# Allegro board IMX7D EVK BOARD REV D_160314.brd (continued)
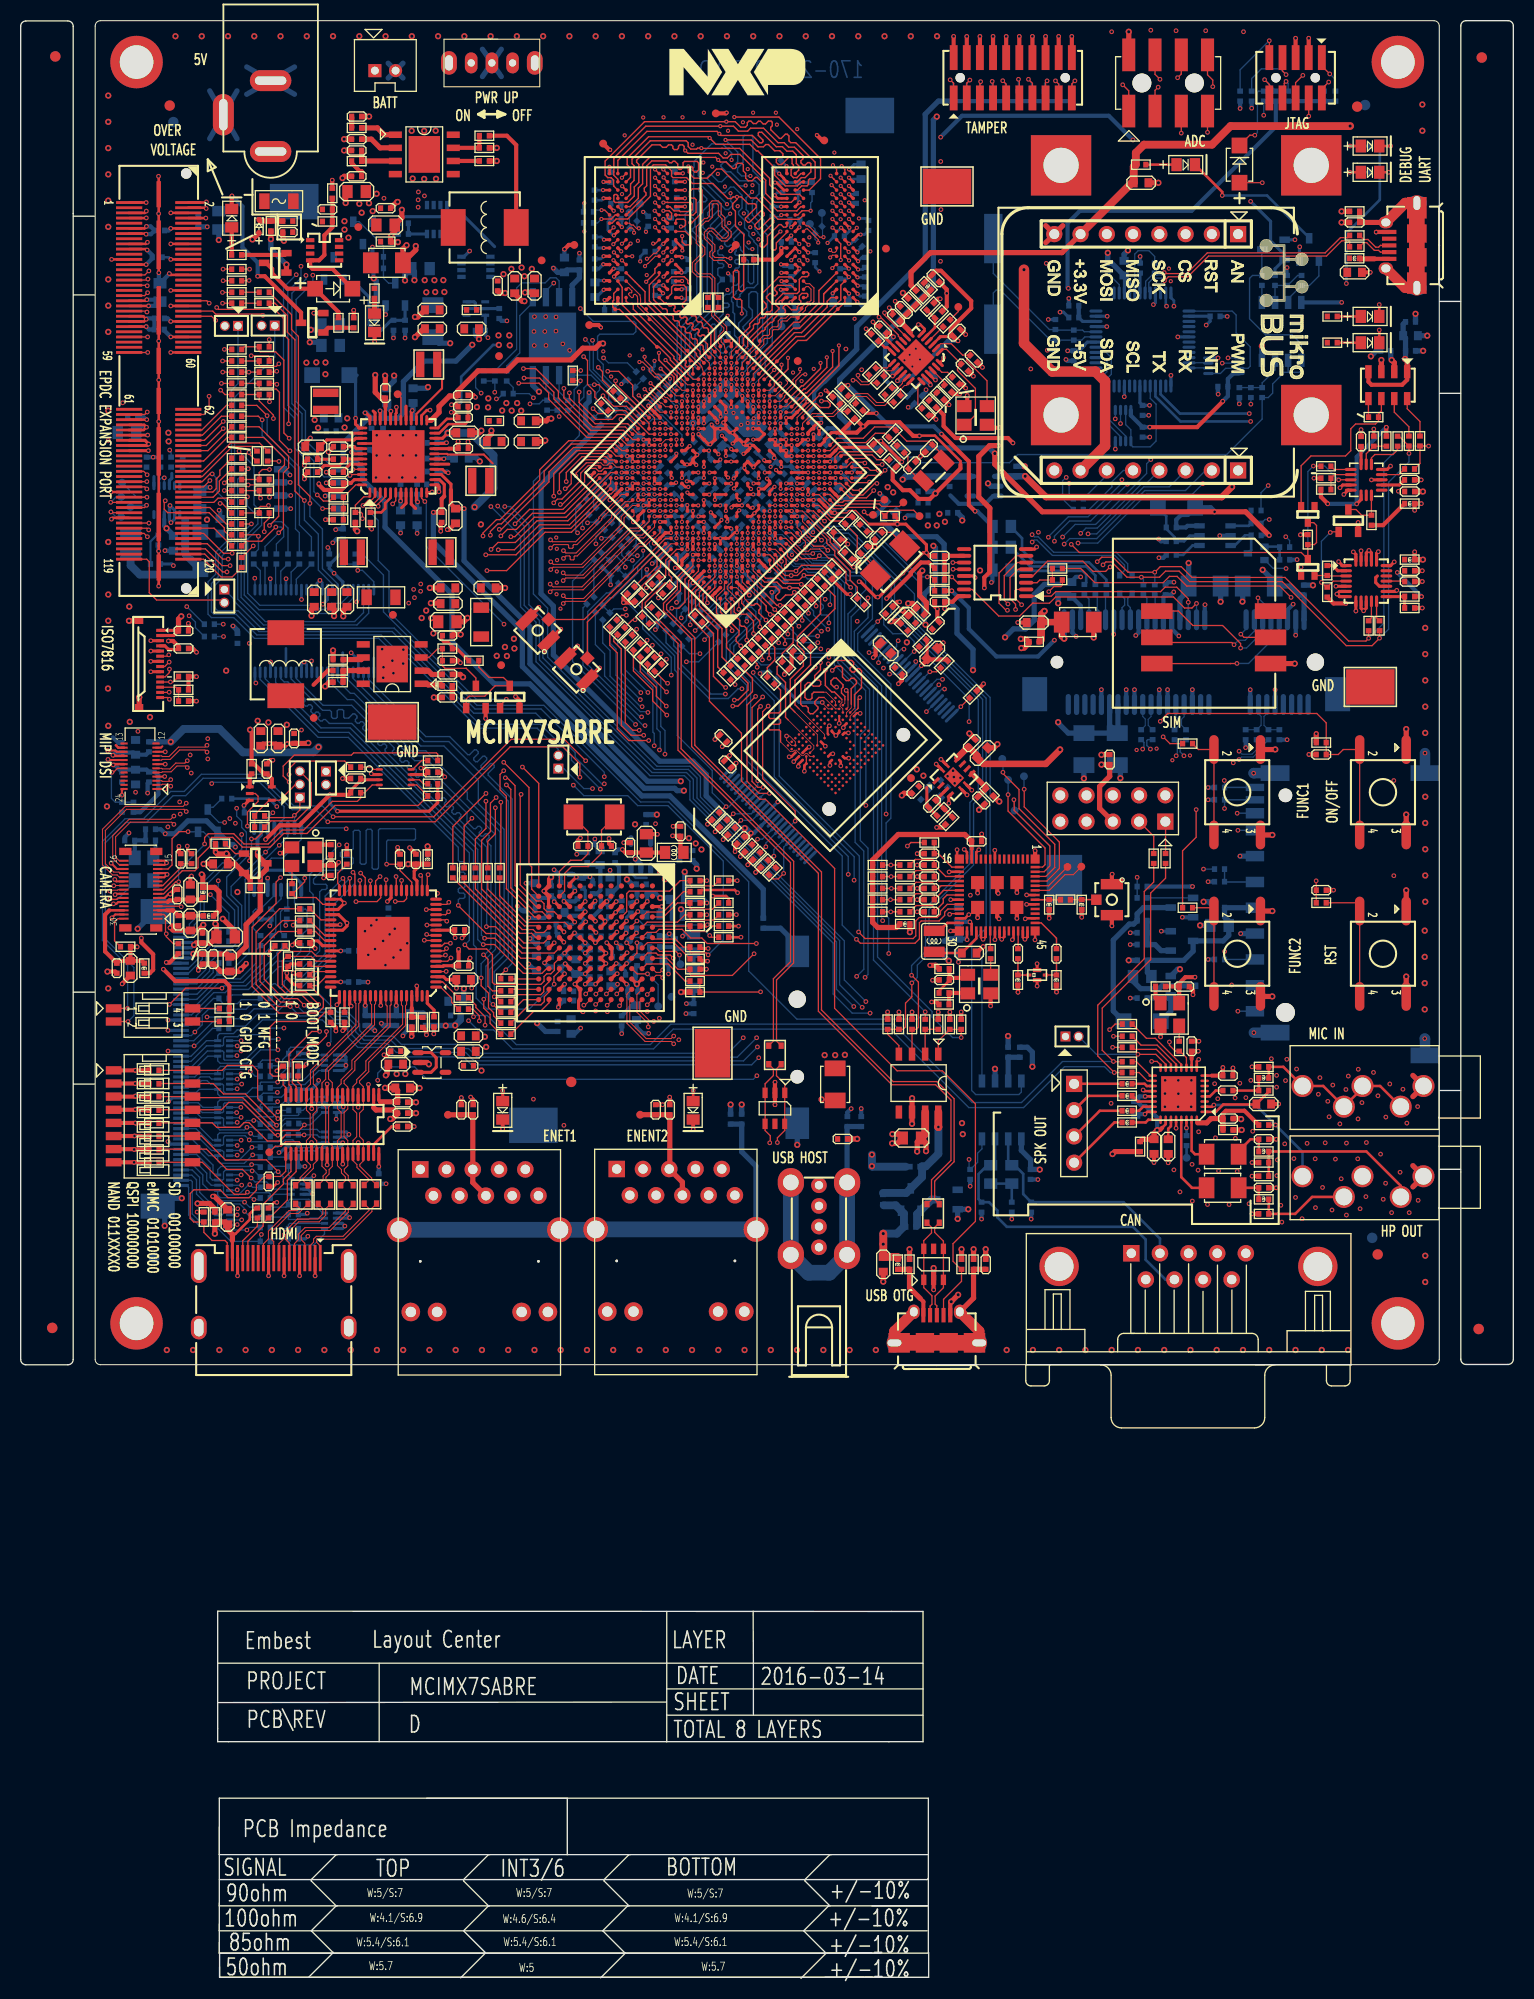
[diagram p0: board, top side]
## Placement (name value [footprint] x y rotation side) (continued)
C217  100nF  [C0402]  38.23 108.25 90 top
C218  10uF  [C0603]  42.84 96.6 0 top
C219  10uF  [C0603]  36.27 88.42 180 top
C220  1uF  [C0402]  36.28 89.68 180 top
C221  1uF  [C0402]  43.31 88.27 0 top
C222  100nF  [C0402]  33.33 92.64 270 bottom
C223  100nF  [C0402]  36.34 92.64 270 bottom
C224  10uF  [C0603]  37.64 92.64 270 bottom
C225  22uF  [C0603]  43.31 89.66 0 top
C226  4.7uF  [C0603]  20.02 73.64 90 top
C227  100nF  [C0402]  36.94 84.74 0 top
C228  4.7uF  [C0603]  36.94 86.11 0 top
C229  100nF  [C0402]  34.63 77.34 90 bottom
C230  100nF  [C0402]  36.94 82.39 180 top
C231  100nF  [C0402]  36.94 83.68 0 top
C232  4.7uF  [C0603]  90.7 99.85 270 bottom
C233  4.7uF  [C0603]  90.7 102.91 90 bottom
C235  4.7uF  [C0603]  91.74 99.18 0 top
C237  220nF  [C0402]  89.33 96.57 180 top
C238  2.2uF  [C0402]  92.46 109.98 0 top
C239  4.7uF  [C0603]  129.02 165.01 0 top
C240  100nF  [C0402]  108.27 165.43 90 bottom
C241  220nF  [C0402]  116.28 153.96 180 bottom
C242  100nF  [C0402]  129.02 169.84 180 top
C243  18pF  [C0402]  100.08 157.96 90 bottom
C244  18pF  [C0402]  100.08 159.96 270 bottom
C245  220nF  [C0402]  108.51 149.56 270 bottom
C246  100nF  [C0402]  134.34 136.15 0 top
C247  100nF  [C0402]  134.34 135.11 0 top
C248  100nF  [C0402]  134.34 143.81 0 top
C249  100nF  [C0402]  134.33 144.94 0 top
C250  100nF  [C0402]  129.64 148.65 90 top
C251  100nF  [C0402]  134.43 157.42 0 bottom
C252  10uF  [C0603]  134.43 158.89 0 bottom
C253  100nF  [C0402]  132.03 157.42 180 bottom
C254  2.2uF  [C0402]  13.2 166.47 0 bottom
C255  2.2uF  [C0402]  13.4 159.48 0 bottom
C256  100nF  [C0402]  13.42 160.56 0 bottom
C257  22uF  [C0805]  10.27 149.52 180 bottom
C258  100nF  [C0402]  13.44 169.06 0 bottom
C259  22uF  [C0805]  13.47 163.07 90 bottom
C260  100nF  [C0402]  10.83 151.05 180 bottom
C261  22uF  [C0805]  19.82 100.73 0 top
C262  100nF  [C0402]  17.59 100.62 90 top
C263  22uF  [C0603]  20.22 98.1 270 top
C264  100nF  [C0402]  17.59 98.59 270 top
C265  220nF  [C0402]  18.63 98.59 270 top
C266  100nF  [C0402]  22.12 112.76 180 bottom
C267  100nF  [C0402]  116.77 87.32 0 top
C268  100nF  [C0402]  113.25 90.16 90 top
C269  4.7uF  [C0603]  107.85 84.24 270 bottom
C270  4.7uF  [C0603]  109.62 80.45 270 top
C271  100nF  [C0402]  116.78 83.16 0 top
C272  4.7uF  [C0603]  120.23 84.57 0 top
C273  4.7uF  [C0603]  110.99 80.45 270 top
C274  100uF  [C35X28]  116.25 79.71 0 top
C275  100uF  [C35X28]  116.25 76.46 0 top
C276  1uF  [C0402]  112.76 81.03 270 bottom
C277  1uF  [C0402]  116.77 85.87 0 top
C278  220nF  [C0402]  97.68 77.76 270 bottom
C279  220nF  [C0402]  95.51 89.58 90 bottom
C280  220nF  [C0402]  15.75 128.64 0 top
C281  56pF  [C0402]  97.74 74.59 270 bottom
C282  56pF  [C0402]  92.94 74.59 270 bottom
C283  1nF  [C0402]  95.86 74.59 270 bottom
C284  220nF  [C0402]  105.33 117.89 90 top
C298  4.7uF  [C0603]  83.43 69.06 270 top
C299  100uF  [C35X28]  78.77 86.47 90 top
C300  100nF  [C0402]  79.49 81.19 180 top
C301  100nF  [C0402]  81.3 82.87 90 bottom
C302  100nF  [C0402]  93.34 69.06 90 top
C307  10uF  [C0603]  63.52 104.35 0 bottom
C308  1uF  [C0402]  54.39 105.93 90 bottom
C309  1uF  [C0402]  53.14 106.31 90 bottom
C310  1uF  [C0402]  58.14 103.76 90 bottom
C311  1uF  [C0402]  60.1 104.91 180 bottom
C313  1uF  [C0402]  60.49 112.08 90 bottom
C315  1uF  [C0402]  60.02 105.82 180 bottom
C316  1uF  [C0402]  64.98 108.6 270 bottom
C317  1uF  [C0402]  55.59 99.52 180 bottom
C318  1uF  [C0402]  55.59 98.63 180 bottom
C319  10uF  [C0603]  57.09 96.68 270 bottom
C320  100nF  [C0402]  65.09 93.8 270 bottom
C321  47uF  [C0805]  65.09 100.1 90 bottom
C322  100nF  [C0402]  63.3 100.06 90 bottom
C323  10uF  [C0603]  61.45 98.46 0 bottom
C324  1uF  [C0402]  59.62 98.43 270 bottom
C325  10uF  [C0603]  49.89 98.19 270 bottom
C326  1uF  [C0402]  51.3 98.3 270 bottom
C327  1uF  [C0402]  59.03 103.51 90 bottom
C328  10uF  [C0603]  49.74 105.22 90 bottom
C329  1uF  [C0402]  51.3 105.19 90 bottom
C330  10uF  [C0603]  56.05 108.4 90 bottom
C331  1uF  [C0402]  55.24 103.18 90 bottom
C332  10uF  [C0603]  53.24 92.07 270 bottom
C333  1uF  [C0402]  53 94.57 180 bottom
C334  1uF  [C0402]  51.46 100.95 180 bottom
C335  10uF  [C0603]  59.57 93.41 270 bottom
C336  1uF  [C0402]  59.2 95.44 0 bottom
C337  10uF  [C0603]  61.15 102.86 0 bottom
C338  1uF  [C0402]  56.63 100.78 180 bottom
C340  1uF  [C0402]  56.62 101.67 180 bottom
C341  1uF  [C0402]  59.09 101.57 0 bottom
C342  1uF  [C0402]  54.67 100.78 0 bottom
C343  1uF  [C0402]  54.67 101.66 0 bottom
C344  22uF  [C0603]  51.9 103.1 180 bottom
C345  1uF  [C0402]  53.65 99.7 0 bottom
C346  22uF  [C0603]  53.7 97.86 270 bottom
C347  100nF  [C0402]  43.76 84.02 90 top
C348  100nF  [C0402]  42.62 84.02 90 top
C349  18pF  [C0402]  56.66 109.53 0 top
C350  18pF  [C0402]  54.38 109.53 180 top
C351  100nF  [C0402]  61.42 84.02 90 top
C352  100nF  [C0402]  62.78 84.02 90 top
C353  100nF  [C0402]  68.66 83.11 90 bottom
C354  4.7uF  [C0603]  16.41 105.07 90 top
C355  4.7uF  [C0603]  11.11 116.2 270 bottom
C356  2.2uF  [C0402]  111.29 139 0 bottom
C357  220nF  [C0402]  71.94 148.74 135 bottom
C358  10uF  [C0603]  106.72 165.42 90 bottom
C359  100nF  [C0402]  108.51 151.67 270 bottom
C360  100nF  [C0402]  101.86 156.94 270 bottom
C361  100nF  [C0402]  101.86 160.64 180 bottom
C362  22uF  [C0603]  79.66 143.69 315 bottom
C363  22uF  [C0805]  86.2 81.28 180 top
C365  100nF  [C0402]  23.99 77.08 90 top
C366  18pF  [C0402]  59.07 154.25 135 bottom
C367  100nF  [C0402]  125.79 118.38 180 top
C368  100nF  [C0402]  125.79 105.25 0 top
C369  1nF  [C0402]  120.23 81.16 0 top
C370  1nF  [C0402]  120.23 76.46 0 top
C374  2.2uF  [C0402]  86.53 114.97 225 top
C375  10uF  [C0603]  93.04 118.52 45 top
C376  220nF  [C0402]  92 119.48 45 top
C377  1uF  [C0402]  88.14 113.61 45 top
C378  220nF  [C0402]  96.29 145.77 90 bottom
C379  100nF  [C0402]  92.9 113.93 315 top
C380  220nF  [C0402]  20.97 129.61 90 bottom
C381  220nF  [C0402]  29.85 137.29 90 bottom
C382  1uF  [C0402]  122.25 138.44 180 bottom
C383  33nF  [C0402]  111.29 137.68 180 bottom
C384  100nF  [C0402]  88.88 137.58 180 top
C385  100nF  [C0402]  88.88 133.15 180 top
C386  4.7uF  [C0603]  19.32 107.79 180 top
C387  1uF  [C0402]  15.75 130.34 0 top
C388  220nF  [C0402]  30 107.16 270 top
C389  220nF  [C0402]  112.54 95.93 0 top
C390  22uF  [C0603]  108.37 173.68 0 top
C391  18pF  [C0402]  87.88 108.78 180 top
C392  1uF  [C0402]  55.33 105.39 90 bottom
C393  1uF  [C0402]  52.18 98.28 270 bottom
C394  10nF  [C0402]  29.67 171.1 0 top
C395  100nF  [C0402]  25.84 168.9 180 top
C396  100nF  [C0402]  36.06 159.89 270 bottom
C397  18pF  [C0402]  87.88 107.69 180 top
C398  18pF  [C0402]  87.88 103.16 180 top
C399  18pF  [C0402]  87.88 104.33 180 top
C400  18pF  [C0402]  87.88 105.42 180 top
C401  18pF  [C0402]  87.88 106.57 180 top
C402  10pF  [C0402]  100.18 99.11 270 top
C403  10pF  [C0402]  96.45 99.11 90 top
C404  100nF  [C0402]  23.81 116.99 90 top
C405  100nF  [C0402]  30.73 144.64 180 top
C406  18pF  [C0402]  36.7 108.25 270 top
C407  100nF  [C0402]  15.15 104.84 90 top
C408  220nF  [C0402]  31.18 139.71 270 bottom
C409  100nF  [C0402]  55.55 96.84 180 bottom
C410  100nF  [C0402]  55.55 97.73 180 bottom
C411  1uF  [C0402]  50.46 100.07 180 bottom
C412  1uF  [C0402]  53 95.47 180 bottom
C413  10uF  [C0603]  57.01 105.76 90 bottom
C414  1uF  [C0402]  56.91 103.17 270 bottom
C415  100nF  [C0402]  63.82 110.95 90 top
C416  47uF  [C0805]  60.52 109.78 90 top
C417  100nF  [C0402]  58.94 109.37 90 top
C418  22uF  [C0805]  19.16 170.05 270 bottom
C419  100nF  [C0402]  17.16 169.9 270 bottom
C420  18pF  [C0402]  27.09 102.94 90 bottom
C421  18pF  [C0402]  25.74 102.94 90 bottom
C422  18pF  [C0402]  24.19 102.94 90 bottom
C423  18pF  [C0402]  23.2 102.94 90 bottom
C426  1uF  [C0402]  87.69 154.93 45 bottom
C427  1uF  [C0402]  85.42 161.38 135 top
C428  1uF  [C0402]  90.53 159.18 45 top
C429  10nF  [C0402]  83.4 159.48 135 top
C430  10nF  [C0402]  86.1 152.66 315 bottom
C431  10nF  [C0402]  84.67 160.62 135 top
C432  10nF  [C0402]  88.49 164.44 315 top
C433  10nF  [C0402]  85.08 155.29 135 bottom
C434  18pF  [C0402]  91.3 155.81 315 top
C435  18pF  [C0402]  92.18 156.66 315 top
C438  100uF  [C35X28]  39.86 160.29 270 bottom
C439  22uF  [C0805]  38.67 165.37 180 bottom
C444  100nF  [C0402]  15.25 102.3 270 top
C445  4.7uF  [C0603]  16.42 102.07 270 top
C446  100nF  [C0402]  9.3 97.71 270 top
C447  4.7uF  [C0603]  10.61 97.71 270 top
C448  100nF  [C0402]  10.55 110.06 180 bottom
C449  4.7uF  [C0603]  11.11 119.07 90 bottom
C450  100nF  [C0402]  9.79 119.04 90 bottom
C451  100nF  [C0402]  9.79 116.2 270 bottom
C452  2.2uF  [C0402]  13.52 146.65 90 bottom
C453  100nF  [C0402]  12.17 146.65 90 bottom
C454  2.2uF  [C0805]  17.33 142.99 90 bottom
C455  100nF  [C0603]  19.3 140.45 90 bottom
C456  100nF  [C0402]  15.48 108.3 90 top
C457  100nF  [C0402]  9.79 113.28 270 bottom
C458  100nF  [C0402]  119.54 120.29 90 bottom
C459  100nF  [C0402]  120.69 120.29 90 bottom
C460  100nF  [C0402]  39.86 116.66 0 top
C461  100nF  [C0402]  32.4 116.05 180 top
D1  Green  [LED0805]  34.23 160.13 270 top
D2  RED  [LED0805]  20.41 170.25 90 top
D3  1N5819HW-7-F  [SOD123]  29.99 155.07 0 bottom
D4  1N5819HW-7-F  [SOD123]  108.47 92.58 180 bottom
D5  ORG  [LED0805]  94.89 140.44 0 bottom
D6  Green  [LED0805]  94.89 138.43 0 bottom
D7  RED  [LED0805]  94.87 136.21 0 bottom
D8  RED  [LED0805]  130.52 177.23 0 top
D9  Green  [LED0805]  130.52 174.69 0 top
D10  RED  [LED0805]  130.52 158.21 0 top
D11  Green  [LED0805]  130.52 160.75 0 top
D12  LED  [LED0805]  46.62 83.96 270 top
D13  LED  [LED0805]  65.04 83.96 270 top
D14  BAT54A  [SOT323]  124.5 136.48 0 top
D15  BAT54A  [SOT323]  119.5 137.83 270 bottom
D16  1N5819HW-7-F  [SOD123]  111.79 142.24 0 bottom
D17  MM5Z5V1ST1G  [SOD523]  23.05 169.47 180 top
D20  1N5819HW-7-F  [SOD123]  30.28 163.43 0 top
D22  BAT54S  [SOT23_123]  121.17 167.23 270 bottom
D23  RED  [LED0805]  112.69 175.43 0 top
D24  BAT54A  [SOT323]  124.5 141.6 180 top
D25  1N5819HW-7-F  [SOD123]  17.38 138.1 90 bottom
D26  1N5819HW-7-F  [SOD123]  117.88 175.49 90 top
F1  FUSE  [F1206]  24.98 171.89 0 top
FL1  LFB182G45SG9A272  [LFB0603_4_3]  98.31 97.04 0 top
J1  CONN_DCPOWER  [DCJ140X90P3]  24.17 183.56 180 top
J2  CONN_BATIN  [CON2B60X50P20]  36.26 184.52 180 top
J3  CONN_BAT  [BATS4P75D150L]  75.11 90.96 180 bottom
J4  CONN_Coaxial  [ANTS3L]  53.75 126.63 135 top
J5  CONN_Coaxial  [ANTS3L]  50.01 130.38 135 top
J6  CONN_SD  [SD11_6B280X180]  119.38 102.92 270 bottom
J7  CONN_SIM  [SIMCARD6B163X157]  120.89 132.25 270 top
J8  CONN_PCIe  [PCIEMINIS52_2_2P8]  125.23 127.31 180 bottom
J9  CONN_HDMI  [HDMIS19_4P5]  24.48 59.35 0 top
J10  CONN_Coaxial  [ANTS3L]  105.54 104.33 270 top
J11  CONN_USB  [USBMICRO5_6A]  136.49 167.62 90 top
J12  CONN_JTAG  [HS2X5_2JZ]  123.31 183.84 180 top
J13  CONN_EPD  [CONS120_8_2B413X73P5]  13.35 154.51 270 top
J14  CONN_LCD  [FPC50_2P5]  15.51 88.94 0 bottom
J15  CONN_HP  [AUDIO5]  129.78 77.58 0 top
J16  CONN_MIC  [AUDIO5]  129.78 86.31 0 top
J17  CONN_SPEAKER  [H4M]  101.89 82.7 270 top
J18  CONN_SMARTCARD  [FPC14_2W23P5]  13.48 130.39 0 top
J19  CONN_CAN  [DB2M9_2]  112.96 70.13 180 top
J20  CONN_MFI  [H2X5MY]  105.63 113.15 180 top
J22  CONN_ADC  [HS2X4_2MZ]  110.98 183.33 0 top
J25  CONN_USB  [USBMICRO5_6A]  88.61 60.02 0 top
J26  CONN_USB  [USB4_4AS]  77.21 76.25 270 top
J27  CONN_RJ45  [RJ45_48F-01GY_P14_4]  44.36 69.35 0 top
J28  CONN_RJ45  [RJ45_48F-01GY_P14_4]  63.37 69.39 0 top
J29  CONN_CSI  [FPC2X15_4P4_A]  11.62 105.3 90 top
J30  CONN_DSI  [FPC2X12_0P4]  11.54 117.24 90 top
J31  CONN_TAMPER  [HS2X10_2JZ]  95.95 183.84 0 top
J32  CONN_MikroBUS  [H8M]  108.86 168.71 180 top
J33  CONN_MikroBUS  [H8M]  108.86 145.85 180 top
J36  CONN_JUMPER  [H2J]  20.38 159.84 180 top
J37  CONN_JUMPER  [H2J]  52.01 117.65 90 top
J38  CONN_JUMPER  [H2J]  23.94 159.86 180 top
J39  CONN_JUMPER  [H2J]  19.7 133.7 270 top
J40  CONN_JUMPER  [H2J]  101.69 91.1 0 top
J41  CONN_JUMPER  [H2J]  29.53 116.1 270 top
JP1  HTMS-103-02-G-S  [H3J]  27 115.48 90 top
L1  2.2uH  [L66X66]  25.64 127.11 0 top
L2  2.2uH  [L66X66]  44.88 169.35 90 top
L3  1.5uH  [L25X20]  31.25 137.94 0 top
L4  1.5uH  [L25X20]  38.64 156.1 0 top
L5  1.5uH  [L25X20]  41.49 137.94 180 top
L6  2.2uH  [L25X20]  29.5 153.36 270 top
L7  1.5uH  [L25X20]  45.33 144.85 180 top
L8  120 OHM@100MHZ  [L0402]  89.85 144.78 90 bottom
L10  WCM-2012-900T  [CKS4B14X20W]  106.9 134.82 90 bottom
L11  120 OHM@100MHZ  [L0402]  42.07 93.13 0 bottom
L12  120 OHM@100MHZ  [L0402]  39.37 108.25 90 top
L13  120 OHM@100MHZ  [L0402]  39.17 92.64 270 bottom
L14  120 OHM@100MHZ  [L0402]  89.41 99.85 90 bottom
L15  120 OHM@100MHZ  [L0402]  85.52 101.99 180 top
L16  1nH  [L0402]  100.18 96.57 90 top
L17  1nH  [L0402]  96.45 96.57 90 top
L18  2.2uH  [L1008]  88.36 100.3 270 top
L19  120 OHM@100MHZ  [L0402]  129 166.37 180 top
L20  120 OHM@100MHZ  [L0402]  134.34 137.23 180 top
L21  120 OHM@100MHZ  [L0402]  134.34 142.64 180 top
L22  120 OHM@100MHZ  [L0402]  134.43 160.22 180 bottom
L25  120 OHM@100MHZ  [L0402]  120.23 79.98 0 top
L26  120 OHM@100MHZ  [L0402]  120.23 75.35 0 top
L27  120 OHM@100MHZ  [L0402]  107.01 85.36 180 top
L28  120 OHM@100MHZ  [L0402]  107.01 82.79 180 top
L29  120 OHM@100MHZ  [L0402]  120.23 87.09 0 top
L30  120 OHM@100MHZ  [L0402]  107.01 86.53 180 top
L31  120 OHM@100MHZ  [L0402]  107.01 83.92 180 top
L39  120 OHM@100MHZ  [L0402]  84.85 69.06 90 top
L40  WCM-2012-900T  [CKS4B14X20W]  72.95 89.31 270 top
L41  WCM-2012-900T  [CKS4B14X20W]  88.25 73.98 90 top
L42  120 OHM@100MHZ  [L0402]  63.52 102.58 180 bottom
L43  120 OHM@100MHZ  [L0402]  63.72 108.6 90 bottom
L44  4.7uH  [L0805]  65.09 96.68 270 bottom
L45  120 OHM@100MHZ  [L0402]  61.32 99.75 180 bottom
L46  120 OHM@100MHZ  [L0402]  49.25 103.28 180 bottom
L47  120 OHM@100MHZ  [L0402]  54.79 108.4 270 bottom
L48  120 OHM@100MHZ  [L0402]  58.13 92.62 270 bottom
L49  120 OHM@100MHZ  [L0402]  51.93 92.07 90 bottom
L50  120 OHM@100MHZ  [L0402]  17.62 105.04 270 top
L51  120 OHM@100MHZ  [L0402]  12.41 119.12 270 bottom
L52  120 OHM@100MHZ  [L0402]  87.28 142.73 180 bottom
L53  120 OHM@100MHZ  [L0402]  57.49 108.4 270 bottom
L54  4.7uH  [L0805]  63.22 108.91 0 top
L55  1nH  [L0402]  102.63 103.85 90 top
L56  1nH  [L0402]  99.48 103.85 90 top
L57  120 OHM@100MHZ  [L0402]  86.83 153.41 135 bottom
L58  120 OHM@100MHZ  [L0402]  87.71 163.66 315 top
L59  WCM-2012-900T  [CKS4B14X20W]  33.82 75.84 270 top
L60  WCM-2012-900T  [CKS4B14X20W]  31.56 75.81 270 top
L61  WCM-2012-900T  [CKS4B14X20W]  29.37 75.81 270 top
L62  WCM-2012-900T  [CKS4B14X20W]  27.19 75.81 270 top
L63  120 OHM@100MHZ  [L0402]  18.17 102.76 180 top
L64  120 OHM@100MHZ  [L0402]  11.96 97.71 90 top
L65  120 OHM@100MHZ  [L0402]  12.41 116.2 90 bottom
L66  120 OHM@100MHZ  [L0402]  15.66 146.65 270 bottom
L67  2.2uH  [L1008]  10.64 138.79 270 bottom
L68  120 OHM@100MHZ  [L0402]  12.56 111.14 180 bottom
MG1  MGX  [MHS230D134]  100.63 175.36 0 top
MG2  MGX  [MHS230D134]  124.83 175.36 0 top
MG3  MGX  [MHS230D134]  124.83 151.21 0 top
MG4  MGX  [MHS230D134]  100.63 151.21 0 top
NOREF  -  [unnamed]  11.21 63.35 0 top
NOREF#2  v*  [unnamed#2]  131.25 70.02 0 top
NOREF#3  v*  [unnamed#2]  141.32 185.79 180 top
NOREF#4  v*  [unnamed#2]  141.02 62.81 180 top
NOREF#5  v*  [unnamed#2]  14.41 181.15 0 top
NOREF#6  v*  [unnamed#2]  53.25 86.71 0 top
NOREF#7  v*  [unnamed#2]  129.27 181.04 0 top
NOREF#8  v*  [unnamed#2]  3.05 62.91 0 top
NOREF#9  -  [unnamed]  133.21 63.35 0 top
NOREF#10  v*  [unnamed#2]  3.35 185.9 0 top
NOREF#11  -  [unnamed]  133.21 185.35 0 top
NOREF#12  -  [#2]  62.75 182.14 0 top
NOREF#13  -  [unnamed]  11.21 185.35 0 top
NOREF#14  -  [#2]  95.54 105.38 180 bottom
NOREF#15  -  [#2]  51.46 173.57 180 bottom
NOREF#16  v*  [unnamed#2]  141.03 62.8 270 bottom
NOREF#17  v*  [unnamed#2]  3.34 185.9 90 bottom
NOREF#18  v*  [unnamed#2]  130.03 181.2 180 bottom
NOREF#19  v*  [unnamed#2]  130.72 71.62 180 bottom
NOREF#20  v*  [unnamed#2]  14.77 179.55 180 bottom
NOREF#21  v*  [unnamed#2]  12.91 69.69 180 bottom
NOREF#22  -  [#2]  101.92 93.41 180 bottom
NOREF#23  -  [#2]  49.41 135.98 270 bottom
NOREF#24  v*  [unnamed#2]  141.32 185.79 270 bottom
NOREF#25  -  [#2]  21.65 163.06 270 bottom
NOREF#26  v*  [unnamed#2]  3.05 62.92 90 bottom
NOREF#27  -  [#2]  42.15 135.98 270 bottom
Q2  AON3419  [DFN8FR]  29.4 167.15 270 top
Q5  2N7002  [SOT23_123]  28.2 160.13 90 top
Q6  AO3407A  [SOT23_123]  112.32 100.35 90 bottom
Q7  2N7002  [SOT23_123]  112.32 96 90 bottom
Q8  MMBT3904  [SOT23_123]  112.32 103.57 270 bottom
Q10  AO3407A  [SOT23_123]  30.29 165.4 180 bottom
Q13  AO3407A  [SOT23_123]  22.69 107.85 270 top
Q16  2N7002  [SOT23_123]  128.42 140.99 0 top
Q17  MMBT2907  [SOT23_123]  24.62 165.93 90 top
Q21  AO3407A  [SOT23_123]  33.11 168.83 0 bottom
Q22  2N7002  [SOT23_123]  124.62 167.23 180 bottom
Q24  AO3407A  [SOT23_123]  86.09 75.33 180 bottom
Q25  2N7002  [SOT23_123]  89.55 75.33 270 bottom
Q29  2N7002  [SOT23_123]  44.03 123.95 0 top
Q30  2N7002  [SOT23_123]  47.31 123.95 0 top
Q31  2N7002  [SOT23_123]  36.23 162.88 180 bottom
Q32  AON3419  [DFN8FR]  40.27 170.12 180 bottom
Q34  AON3419  [DFN8FR]  44.03 165.55 90 bottom
Q35  BCM857BS  [SOT363_6]  44.03 161.51 270 bottom
Q36  DMN2005K-7  [SOT23_123]  18.1 111.98 180 bottom
R1  1K  [R0402]  34.22 162.98 90 top
R4  1K  [R0402]  20.89 166.7 180 top
R6  100K  [R0402]  30.73 160.13 270 top
R8  100K  [R0402]  32.21 160.13 90 top
R9  10K  [R0402]  41.27 128.62 180 top
R10  75K  [R0402]  30.7 126.5 0 top
R11  10K  [R0402]  32.5 175.77 0 top
R12  12K7  [R0402]  41.26 125.02 0 top
R13  24K  [R0402]  30.7 125.37 180 top
R14  88K7  [R0402]  44.84 178.23 180 top
R15  100K  [R0402]  30.7 127.56 180 top
R16  12K7  [R0402]  32.5 178.98 180 top
R17  24K  [R0402]  44.84 177.05 0 top
R18  100K  [R0402]  44.84 175.79 0 top
R19  470R  [R0402]  71.83 102.06 90 bottom
R20  0R  [R1206]  34.85 133.58 180 top
R23  0R  [R0402]  43.62 161.38 180 top
R24  0R  [R1206]  44.54 131.18 90 top
R27  47K  [R0402]  32.37 141.31 90 top
R28  10K  [R0402]  30.73 146.94 180 top
R30  0R  [R0402]  87.28 141.5 180 bottom
R31  0R  [R0402]  79.08 149.59 135 bottom
R32  0R  [R0402]  83.09 141.24 135 bottom
R33  2K2  [R0402]  57.4 136.04 45 bottom
R34  2K2  [R0402]  56.62 136.79 45 bottom
R35  100K  [R0402]  75.55 140.33 135 bottom
R36  4.75M  [R0402]  84.3 149.41 225 top
R38  1M  [R0402]  80.09 141.03 45 top
R39  22R  [R0402]  69.01 126.62 315 top
R40  22R  [R0402]  65.56 131.52 315 top
R41  22R  [R0402]  68.32 125.95 315 top
R42  22R  [R0402]  62.76 130.7 225 bottom
R43  22R  [R0402]  69.7 127.3 315 top
R44  22R  [R0402]  63.5 129.97 225 bottom
R45  0R  [R0402]  86.21 131.43 135 top
R46  0R  [R0402]  85.46 130.7 135 top
R59  2K2  [R0402]  78.11 135.68 135 top
R60  2K2  [R0402]  78.78 136.34 135 top
R61  2K2  [R0402]  73.61 134.81 45 bottom
R62  2K2  [R0402]  72.86 135.57 45 bottom
R63  2K2  [R0402]  72.24 133.44 135 bottom
R64  2K2  [R0402]  70.48 132.34 90 bottom
R65  0R  [R0402]  63.32 134.28 315 bottom
R66  200R  [R0402]  61.93 131.51 225 bottom
R67  470K  [R0402]  64.05 135 315 bottom
R68  10K  [R0402]  59.03 134.27 225 top
R69  0R  [R0402]  61.21 135.9 225 bottom
R70  200R  [R0402]  59.74 133.54 225 top
R71  470K  [R0402]  62.13 137.13 135 bottom
R75  100K  [R0402]  84.34 146.55 315 top
R76  0R  [R0402]  82.81 148.06 135 top
R80  4K7  [R0402]  75.15 151.75 45 bottom
R81  240R  [R0402]  72.71 170.88 270 bottom
R82  240R  [R0402]  54.92 170.88 0 bottom
R83  240R  [R0402]  76.54 173.22 270 bottom
R84  240R  [R0402]  54.92 169.8 0 bottom
R85  0R  [R0402]  61.33 155.26 135 bottom
R86  240R  [R0402]  73.06 153.34 315 bottom
R87  10K  [R0402]  68.39 159.57 270 bottom
R88  10K  [R0402]  68.35 164.32 0 bottom
R89  10K  [R0402]  70.42 166.24 0 top
R90  470R  [R0402]  77.17 169.11 225 bottom
R91  470R  [R0402]  59.26 169.63 225 bottom
R92  10K  [R0402]  55.76 150.59 135 bottom
R93  10K  [R0402]  75.07 128.06 315 top
R94  10K  [R0402]  74 127.02 135 top
R95  33R  [R0402]  72.55 125.55 315 top
R96  33R  [R0402]  76.06 129.1 315 top
R97  10K  [R0402]  67.22 112.42 45 top
R98  10K  [R0402]  71.94 107.82 45 top
R99  10K  [R0402]  115.96 98.55 0 bottom
R100  10K  [R0402]  115.96 115.18 0 bottom
R101  10K  [R0402]  115.96 114 0 bottom
R102  0R  [R0402]  108.49 98.46 180 bottom
R103  60R4  [R0805]  108.47 96.91 0 bottom
R104  10K  [R0402]  108.47 94.82 0 bottom
R105  10K  [R0402]  108.47 99.99 0 bottom
R106  33R  [R0402]  115.96 107.29 0 bottom
R107  2K2  [R0402]  108.47 102.3 0 bottom
R108  10K  [R0402]  108.47 104.51 0 bottom
R110  33R  [R0402]  59.05 134.31 225 bottom
R111  33R  [R0402]  80 137.51 315 bottom
R112  22R  [R0402]  59.75 133.54 225 bottom
R117  0R  [R0402]  56.48 151.99 135 top
R118  0R  [R0402]  57.67 153.19 135 top
R119  0R  [R0402]  100.35 134.34 270 bottom
R120  0R  [R0402]  98.01 129.28 180 top
R124  0R  [R0402]  112.71 120.29 90 bottom
R125  0R  [R0402]  111.61 120.29 90 bottom
R127  470R  [R0402]  105.01 134.34 90 bottom
R128  470R  [R0402]  103.94 134.34 90 bottom
R129  470R  [R0402]  102.88 134.34 90 bottom
R132  47K  [R0402]  27.48 98.11 0 top
R133  5K1  [R0402]  31.32 92.96 270 top
R134  1K  [R0402]  38.89 92.47 270 top
R135  10K  [R0402]  29.98 92.96 270 top
R136  0R  [R0402]  37.83 92.49 90 top
R137  33R  [R0402]  23.66 94.79 0 bottom
R138  10K  [R0402]  27.48 97.08 0 top
R139  10K  [R0402]  27.48 96.02 180 top
R140  4K7  [R0402]  39.98 92.52 270 top
R141  4K7  [R0402]  31.54 108.25 90 top
R142  47K  [R0402]  25.39 87.75 270 top
R143  47K  [R0402]  26.81 87.75 270 top
R144  4K7  [R0402]  22.89 74.02 270 top
R145  4K7  [R0402]  23.96 74.02 270 top
R146  15K  [R0402]  17.72 73.64 90 top
R147  0R  [R0402]  18.78 73.64 90 top
R148  10K  [R0402]  89.3 95.31 0 top
R151  33R  [R0402]  87.88 109.86 180 top
R152  100K  [R0402]  82.88 107.69 0 top
R153  100K  [R0402]  82.88 103.16 0 top
R154  100K  [R0402]  82.88 104.33 0 top
R155  100K  [R0402]  82.88 105.42 0 top
R156  100K  [R0402]  82.88 106.57 0 top
R157  470R  [R0402]  101.86 161.79 0 bottom
R158  22R  [R0402]  129.02 168.58 180 top
R159  1K5  [R0402]  109.68 165.42 90 bottom
R160  22R  [R0402]  129.02 167.49 180 top
R161  1K  [R0402]  130.97 177.23 180 bottom
R162  1K  [R0402]  130.97 174.69 180 bottom
R163  0R  [R0402]  129.02 170.91 0 top
R164  1M  [R0402]  101.86 158.94 90 bottom
R165  10K  [R0402]  105.14 165.42 270 bottom
R166  1K  [R0402]  126.86 158.21 0 top
R167  1K  [R0402]  126.86 160.75 0 top
R168  10K  [R0402]  121.4 182.06 90 bottom
R169  10K  [R0402]  122.59 182.06 90 bottom
R170  10K  [R0402]  126.06 182.06 90 bottom
R171  0R  [R0402]  127.17 182.06 270 bottom
R172  0R  [R0402]  120.23 182.06 270 bottom
R174  4K7  [R0402]  78.97 139.51 315 top
R175  4K7  [R0402]  126.37 134.08 90 top
R176  10R  [R0402]  19.66 94.79 180 bottom
R177  33R  [R0402]  19.65 91.89 0 bottom
R178  33R  [R0402]  19.65 92.82 0 bottom
R179  33R  [R0402]  19.66 93.74 0 bottom
R180  0R  [R0402]  20.9 163.09 180 top
R181  0R  [R0402]  20.9 162.03 180 top
R182  2K2  [R0402]  120.23 85.87 180 top
R183  0R  [R0402]  26.38 71.53 180 bottom
R184  0R  [R0402]  26.38 72.5 180 bottom
R185  0R  [R0402]  26.38 73.89 180 bottom
R186  0R  [R0402]  26.38 74.85 180 bottom
R187  0R  [R0402]  26.38 78.54 180 bottom
R188  0R  [R0402]  26.38 79.48 180 bottom
R189  0R  [R0402]  26.38 80.55 0 bottom
R190  0R  [R0402]  26.41 84.95 180 bottom
R191  0R  [R0402]  26.41 85.94 180 bottom
R192  0R  [R0402]  26.41 87.33 180 bottom
R193  0R  [R0402]  26.41 88.42 180 bottom
R194  0R  [R0402]  26.4 89.45 180 bottom
R195  4K7  [R0402]  23.66 72.63 180 bottom
R196  4K7  [R0402]  23.66 71.28 180 bottom
R197  4K7  [R0402]  23.66 74.59 180 bottom
R199  4K7  [R0402]  23.66 73.63 180 bottom
R203  4K7  [R0402]  23.66 76.51 180 bottom
R204  4K7  [R0402]  23.66 75.48 180 bottom
R205  4K7  [R0402]  23.66 78.46 180 bottom
R206  4K7  [R0402]  23.66 77.51 180 bottom
R207  4K7  [R0402]  23.66 80.4 180 bottom
R208  4K7  [R0402]  23.66 79.43 180 bottom
R209  4K7  [R0402]  23.66 81.44 180 bottom
R210  4K7  [R0402]  26.38 81.59 180 bottom
R211  4K7  [R0402]  26.42 82.68 180 bottom
R212  4K7  [R0402]  26.42 83.95 180 bottom
R213  4K7  [R0402]  23.66 82.62 180 bottom
R214  4K7  [R0402]  23.66 84.06 180 bottom
R215  4K7  [R0402]  23.66 85.1 180 bottom
R216  4K7  [R0402]  23.66 87.25 180 bottom
R217  4K7  [R0402]  23.66 86.13 180 bottom
R218  4K7  [R0402]  23.66 88.26 180 bottom
R225  10K  [R0402]  90.18 182.06 90 bottom
R226  10K  [R0402]  91.48 182.06 90 bottom
R228  10K  [R0402]  92.84 182.06 90 bottom
R230  10K  [R0402]  93.95 182.06 90 bottom
R232  10K  [R0402]  96.49 182.06 90 bottom
R234  10K  [R0402]  95.25 182.06 90 bottom
R236  10K  [R0402]  97.76 182.06 90 bottom
R239  10K  [R0402]  99.03 182.06 90 bottom
R241  10K  [R0402]  101.71 182.06 90 bottom
R242  10K  [R0402]  100.48 182.06 90 bottom
R243  0R  [R0402]  96.64 89.58 270 bottom
R244  10K  [R0402]  91.83 77.76 90 bottom
R245  60R4  [R0805]  93.82 77.76 270 bottom
R246  60R4  [R0805]  95.86 77.76 270 bottom
R249  47K  [R0402]  125.79 119.53 0 top
R250  0R  [R0402]  79.95 82.87 270 bottom
R251  0R  [R0402]  92.17 69.06 270 top
R252  10K  [R0402]  84.95 92.28 270 top
R253  10K  [R0402]  89.87 92.27 270 top
R254  100K  [R0402]  83.85 92.28 90 top
R255  10K  [R0402]  88.75 92.28 90 top
R256  100K  [R0402]  90.97 92.27 90 top
R257  10K  [R0402]  86.21 92.28 90 top
R258  0R  [R0402]  69.74 83.11 90 bottom
R261  0R  [R0402]  65.22 98.61 0 top
R262  10K  [R0402]  57.72 98.81 180 bottom
R263  10K  [R0402]  65.22 95.4 0 top
R264  470R  [R0402]  68 106.18 180 top
R265  0R  [R0402]  65.22 96.46 180 top
R266  470R  [R0402]  68 104.02 180 top
R267  470R  [R0402]  65.22 105.1 180 top
R268  470R  [R0402]  68 102.88 180 top
R269  470R  [R0402]  68 101.78 180 top
R270  470R  [R0402]  68 100.7 180 top
R271  1K5  [R0402]  65.22 99.75 180 top
R272  4K7  [R0402]  65.22 106.18 0 top
R273  4K7  [R0402]  65.22 101.78 0 top
R274  6K04  [R0402]  58.99 97.07 0 bottom
R275  10K  [R0402]  65.22 97.6 0 top
R276  4K7  [R0402]  65.22 102.88 0 top
R277  4K7  [R0402]  65.22 104.02 0 top
R278  4K7  [R0402]  61.28 100.83 0 bottom
R279  4K7  [R0402]  119.5 139.58 180 bottom
R280  100K  [R0402]  30.73 141.09 0 top
R281  0R  [R0402]  30.73 142.16 180 top
R282  10K  [R0402]  28.23 146.94 180 top
R283  0R  [R0402]  33.83 141.31 270 top
R284  0R  [R0402]  81.52 140.29 315 top
R285  0R  [R0402]  85.12 147.91 315 top
R286  22R  [R0402]  67.07 130.39 225 bottom
R287  22R  [R0402]  65.44 131.97 225 bottom
R288  22R  [R0402]  64.27 129.23 225 bottom
R289  22R  [R0402]  66.16 131.27 225 bottom
R290  22R  [R0402]  67.85 129.62 225 bottom
R291  22R  [R0402]  64.63 132.8 225 bottom
R294  10K  [R0402]  115.53 160.76 0 bottom
R295  1K  [R0402]  19.7 92.56 180 top
R296  1K  [R0402]  19.7 93.81 180 top
R299  0R  [R0402]  58.22 153.04 135 bottom
R300  0R  [R0402]  56.5 151.34 135 bottom
R301  0R  [R0402]  126.37 136.17 90 top
R302  0R  [R0402]  130.85 151.01 0 top
R303  0R  [R0402]  126.24 146.26 180 top
R307  0R  [R0402]  30.73 143.26 180 top
R309  1K  [R0402]  112.86 119.43 180 top
R310  1K  [R0402]  112.86 103.55 180 top
R311  0R  [R0402]  108.27 80.45 90 top
R312  0R  [R0402]  116.78 82.06 180 top
R313  0R  [R0402]  12.89 87.82 0 top
R314  0R  [R0402]  12.89 86.52 0 top
R315  0R  [R0402]  12.89 85.29 0 top
R316  0R  [R0402]  12.89 83.98 0 top
R317  0R  [R0402]  12.89 82.71 0 top
R318  0R  [R0402]  12.89 81.44 0 top
R319  0R  [R0402]  12.89 80.17 0 top
R320  0R  [R0402]  12.89 78.91 0 top
R321  0R  [R0402]  119.49 141.98 0 bottom
R323  52K3  [R0402]  88.98 112.78 45 top
R324  30K1  [R0402]  89.8 111.96 225 top
R325  0R  [R0402]  87.03 132.23 135 top
R326  0R  [R0402]  45.8 150.65 0 top
R327  10K  [R0402]  93.71 114.73 135 top
R329  0R  [R0402]  89.33 97.63 180 top
R330  10K  [R0402]  134.34 132.55 0 top
R331  10K  [R0402]  134.34 133.66 0 top
R332  10K  [R0402]  31.18 137.28 270 bottom
R333  10K  [R0402]  70.4 109.32 45 top
R334  10K  [R0402]  71.18 108.56 45 top
R335  10K  [R0402]  68.75 110.95 45 top
R336  10K  [R0402]  67.97 111.7 45 top
R337  33R  [R0402]  58.17 135.27 225 bottom
R338  33R  [R0402]  55.1 133.27 225 bottom
R339  0R  [R0402]  72.71 107.08 225 top
R340  0R  [R0402]  87.24 129.15 45 top
R341  0R  [R0402]  84 132.34 45 top
R342  22R  [R0402]  56.64 131.73 225 bottom
R343  49R9  [R0402]  46.93 94.47 0 top
R344  49R9  [R0402]  46.93 96.69 0 top
R345  49R9  [R0402]  26.95 137.29 270 bottom
R346  49R9  [R0402]  28.12 137.29 270 bottom
R347  1K  [R0402]  125.79 104.03 180 top
R348  100K  [R0402]  111.29 140.34 180 bottom
R349  1M  [R0402]  122.26 137.22 180 bottom
R350  0R  [R0402]  119.49 140.72 0 bottom
R351  10K  [R0402]  124.49 139.16 270 top
R352  0R  [R0402]  88.89 135.26 180 top
R353  10K  [R0402]  88.88 136.38 180 top
R354  100K  [R0402]  19.32 109.75 0 top
R355  0R  [R0402]  22.69 105.46 180 top
R356  33R  [R0402]  19.66 97.24 180 bottom
R357  33R  [R0402]  19.66 98.21 180 bottom
R358  33R  [R0402]  19.66 99.15 180 bottom
R359  33R  [R0402]  23.11 112.43 180 top
R360  33R  [R0402]  23.11 111.36 180 top
R361  10K  [R0402]  130.88 148.68 90 top
R362  10K  [R0402]  132.09 148.68 90 top
R363  10K  [R0402]  126.24 144.01 180 top
R364  10K  [R0402]  126.24 145.1 180 top
R365  0R  [R0402]  86.96 162.92 315 top
R366  33K  [R0402]  120.23 82.53 180 top
R367  10K  [R0402]  120.23 78.91 180 top
R368  0R  [R0402]  86.2 162.15 315 top
R369  0R  [R0402]  87.98 161.7 225 top
R370  0R  [R0402]  88.77 160.91 225 top
R371  0R  [R0402]  85.52 103.16 180 top
R372  0R  [R0402]  85.52 104.33 180 top
R373  0R  [R0402]  85.52 105.42 180 top
R374  0R  [R0402]  85.52 106.57 180 top
R375  0R  [R0402]  85.52 107.69 180 top
R386  10K  [R0402]  130.65 141.04 90 top
R387  10K  [R0402]  80.06 137.6 135 top
R388  0R  [R0402]  47.15 153.28 180 bottom
R389  0R  [R0402]  53.4 155.03 90 top
R390  0R  [R0402]  50.91 152.16 90 bottom
R391  0R  [R0402]  44.79 154.98 90 bottom
R392  0R  [R0402]  47.01 154.98 90 bottom
R393  0R  [R0402]  52.92 152.14 90 bottom
R394  0R  [R0402]  45.86 154.98 90 bottom
R395  0R  [R0402]  51.9 152.16 90 bottom
R396  0R  [R0402]  59.88 155.06 135 bottom
R397  0R  [R0402]  59.45 151.45 135 bottom
R398  0R  [R0402]  21.37 136.95 270 top
R399  0R  [R0402]  57.21 152.06 135 bottom
R400  0R  [R0402]  20.9 139.63 180 top
R401  0R  [R0402]  20.9 150.08 180 top
R402  0R  [R0402]  20.9 149.05 180 top
R403  0R  [R0402]  20.89 138.56 180 top
R404  0R  [R0402]  20.9 151.1 180 top
R405  0R  [R0402]  20.9 152.15 180 top
R406  0R  [R0402]  23.55 163.09 180 top
R407  0R  [R0402]  23.55 162.03 180 top
R408  0R  [R0402]  20.9 147.03 180 top
R409  0R  [R0402]  20.9 142.79 180 top
R410  0R  [R0402]  20.9 146.01 180 top
R411  0R  [R0402]  20.9 140.67 180 top
R412  0R  [R0402]  60.26 128.14 225 top
R413  0R  [R0402]  60.98 127.45 225 top
R415  0R  [R0402]  59.61 128.8 225 top
R416  0R  [R0402]  60.26 128.14 225 bottom
R417  0R  [R0402]  60.98 127.45 225 bottom
R419  0R  [R0402]  59.6 128.8 225 bottom
R420  0R  [R0402]  23.55 157.82 0 top
R421  0R  [R0402]  23.55 156.44 0 top
R422  0R  [R0402]  23.55 154.27 0 top
R423  0R  [R0402]  23.55 155.36 0 top
R424  0R  [R0402]  20.9 157.56 180 top
R425  0R  [R0402]  20.9 156.44 180 top
R426  0R  [R0402]  20.9 154.27 180 top
R427  0R  [R0402]  20.9 155.36 180 top
R428  0R  [R0402]  23.55 144.97 0 top
